# Altium PCB PCB_3U_ADC.PCBDOC (part 2 of 5)
Units mil, origin at the board's own origin, x right, y up, seen from the top; angles counter-clockwise.
Board outline 6299 x 3937 mil, 4 copper layers (Top, MP(GND), L3, Bot), stack 64.881 mil thick; 530 components, 318 nets, 1631 pads, 745 vias.
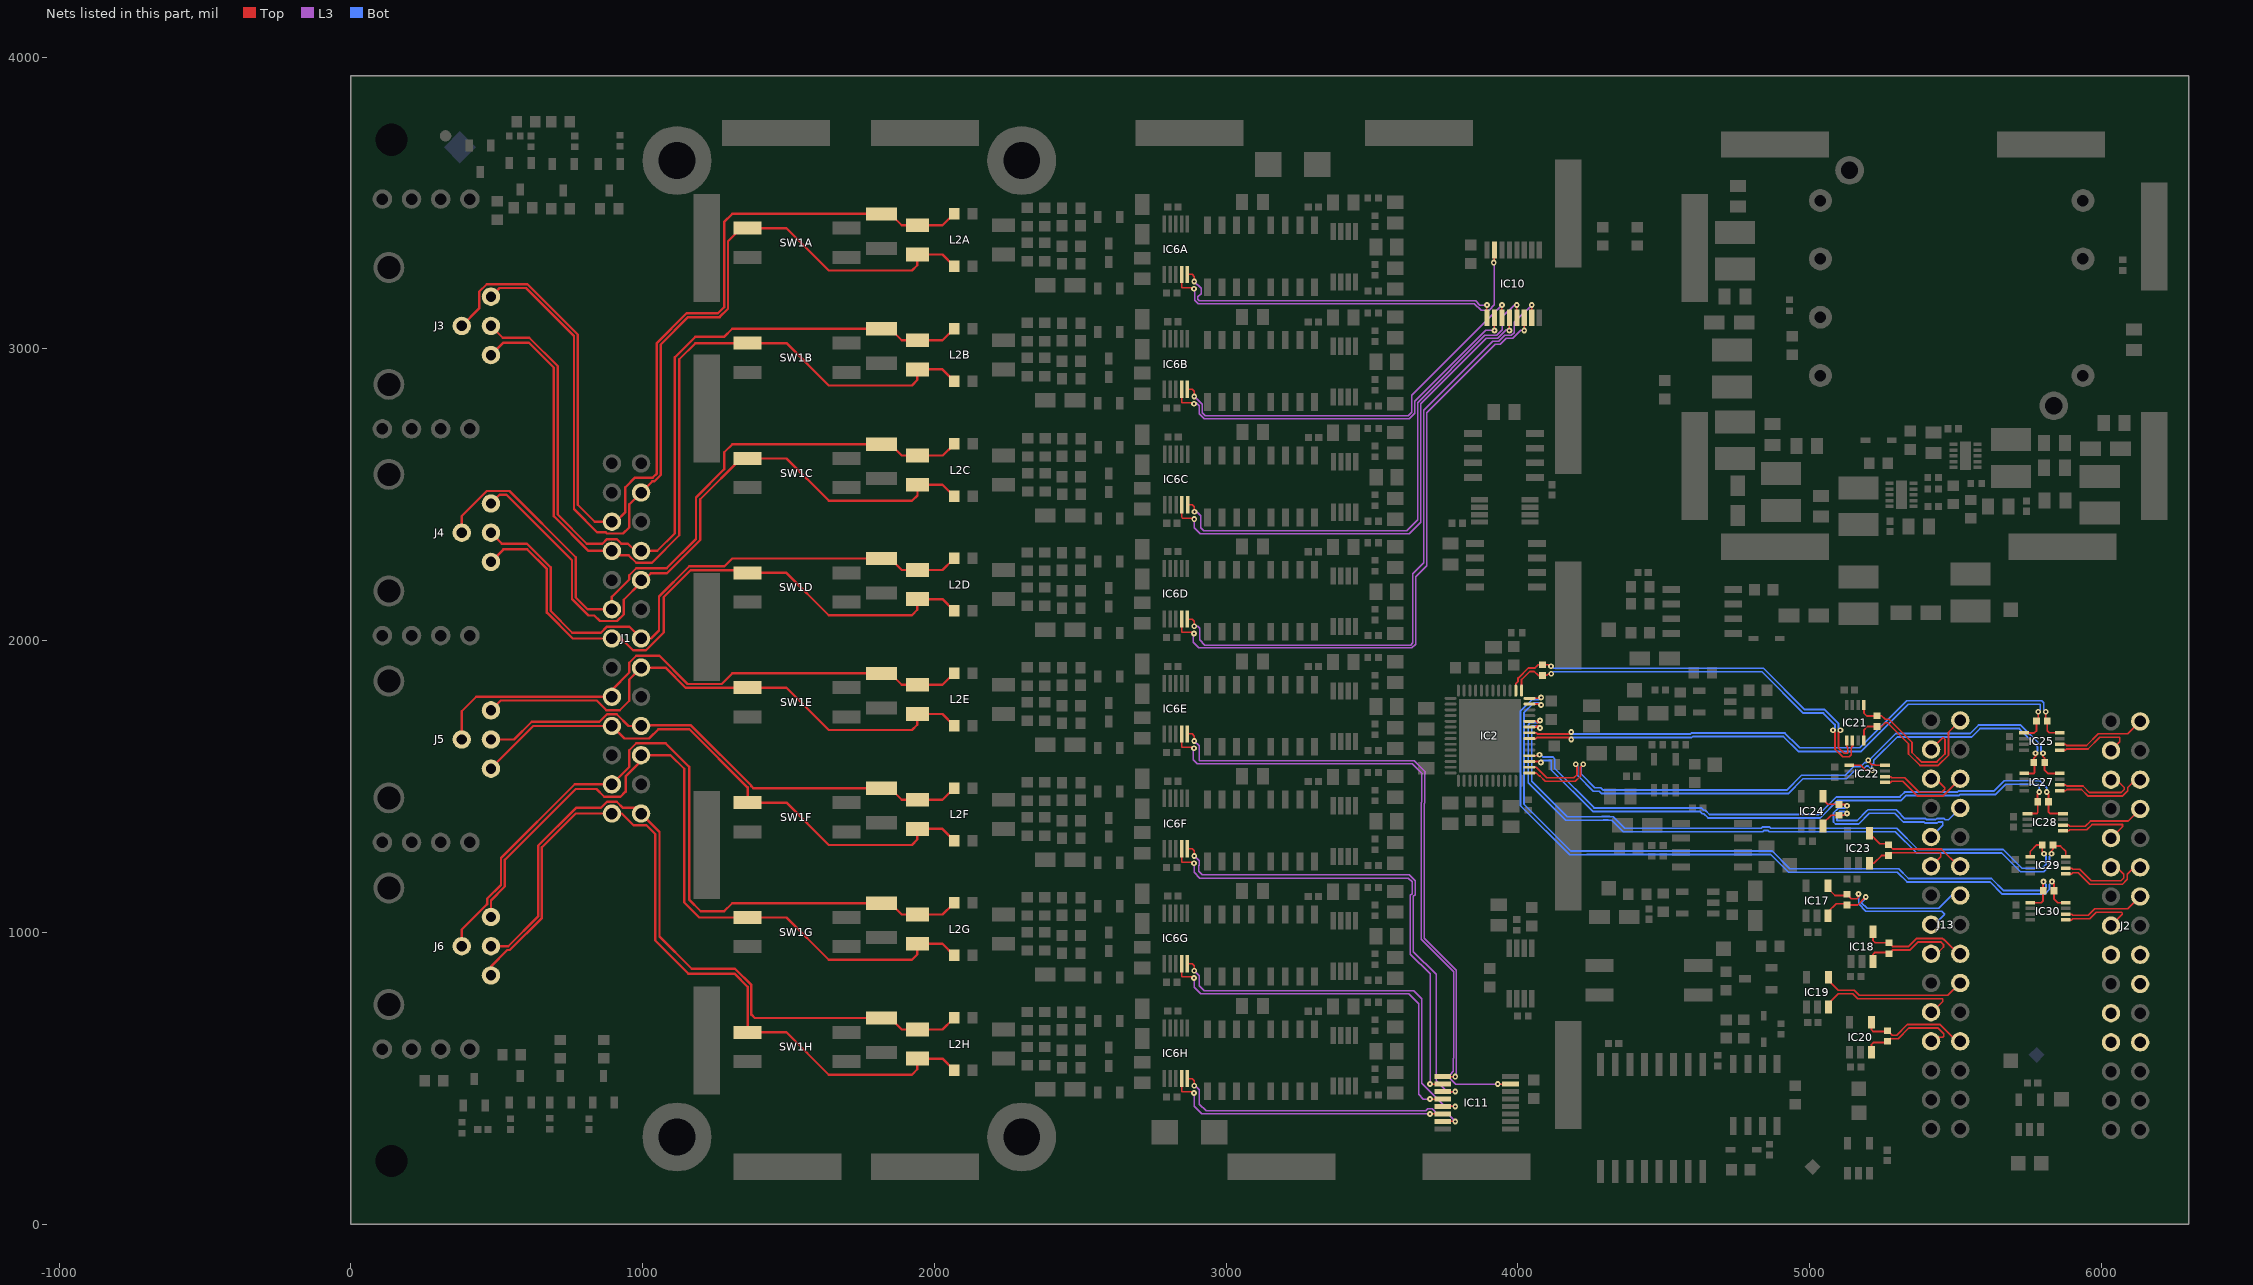
[diagram p4: the nets of this part, all layers, seen from the top]

## Footprints (in the part's own frame and the unit in brackets; to place one, negate y for a bottom-side part, rotate by r counter-clockwise, add the part's x,y. Pads: shape width x height; smd on the part's side, far side on the other; paste and mask are expansions set on the pad) (continued)
IND_MURATA-PS_8400 [mm] "Miniature Surface Mount Power Inductors, 4.5mm L X 3.3mm W X 2.9mm H, MURATA 8400 Series"
  rect 2x3.5 smd: 1(-1.6,0) 2(1.6,0)
  silkscreen extent -0.3,-1.8 0.3,1.8, body extent -2.4,-1.8 2.4,1.8, height 2.9
IND_WURTH_WE-SL2 [mm] "Common Mode SMD Line Filter WE-SL2"
  rect 2x1.2 smd: 1(-3.75,1.27) 2(-3.75,-1.27) 3(3.75,-1.27) 4(3.75,1.27)
  silkscreen extent -4.75,-3.15 4.75,3.15, body extent -4.75,-3.15 4.75,3.15, height 5.3
LED_DIALIGHT_571-0122F [mm] "2x 2mm LED (Top: Green, Bot: Green) PCB Edge Mounting (Without positioning pins) DIALIGHT 571 Serie"
  round 1.7 hole 1: 1(0,0) 2(2.54,0) 3(5.08,0) 4(7.62,0)
  silkscreen extent -6.55,-1.24 8.89,1.24, body extent -6.55,-1.24 8.89,1.24, height 8.61
QFN50P700X800X80_HS-53M [mm] "QFN, 52-Leads, Body 7.00x8.00mm, Pitch 0.50mm, Thermal Pad 5.41x6.40mm, IPC Low Density"
  oval 1.05x0.25 smd: 1(-3.425,3.25) 2(-3.425,2.75) 3(-3.425,2.25) 4(-3.425,1.75) 5(-3.425,1.25) 6(-3.425,0.75) 7(-3.425,0.25) 8(-3.425,-0.25) 9(-3.425,-0.75) 10(-3.425,-1.25) 11(-3.425,-1.75) 12(-3.425,-2.25) 13(-3.425,-2.75) 14(-3.425,-3.25) 27(3.425,-3.25) 28(3.425,-2.75) 29(3.425,-2.25) 30(3.425,-1.75) 31(3.425,-1.25) 32(3.425,-0.75) 33(3.425,-0.25) 34(3.425,0.25) 35(3.425,0.75) 36(3.425,1.25) 37(3.425,1.75) 38(3.425,2.25) 39(3.425,2.75) 40(3.425,3.25)
  oval 0.25x1.05 smd: 15(-2.75,-3.925) 16(-2.25,-3.925) 17(-1.75,-3.925) 18(-1.25,-3.925) 19(-0.75,-3.925) 20(-0.25,-3.925) 21(0.25,-3.925) 22(0.75,-3.925) 23(1.25,-3.925) 24(1.75,-3.925) 25(2.25,-3.925) 26(2.75,-3.925) 41(2.75,3.925) 42(2.25,3.925) 43(1.75,3.925) 44(1.25,3.925) 45(0.75,3.925) 46(0.25,3.925) 47(-0.25,3.925) 48(-0.75,3.925) 49(-1.25,3.925) 50(-1.75,3.925) 51(-2.25,3.925) 52(-2.75,3.925)
  rect 5.41x6.4 smd: 53(0,0)
  silkscreen extent -4.47,-4.2 3.7,4.2, body extent -3.55,-4.05 3.55,4.05, height 0.8
RENHOTEC_RHT-610-0049 [mm] "Dual Right Angle 50 Ohm BNC Jack, White Valox Case"
  round 1.6 hole 0.9: 1(-6.2,-2.54) 2(-6.2,0) 3(-6.2,2.54) 4(-3.66,0)
  round 2.7 hole 2: 6(2.69,-5.08) 7(2.69,5.08)
  silkscreen extent -9.85,-7.5 29.25,7.5, body extent -9.85,-7.5 29.25,7.5, height 29.3
RESC1005X40N [mm] "Chip Resistor, EIA 0402, Metric 1005, Body 1.0x0.5mm, IPC Medium Density"
  rect 0.58x0.62 smd: 1(-0.47,0) 2(0.47,0)
  body extent -0.52,-0.27 0.53,0.28, height 0.4
RESC1608X55N [mm] "Chip Resistor, EIA 0603, Metric 1608, Body 1.6x0.8mm, IPC Medium Density"
  rect 0.9x1 smd: 1(-0.8,0) 2(0.8,0)
  body extent -0.87,-0.47 0.88,0.48, height 0.55
RESC3225X70N [mm] "Chip Resistor, EIA 1210, Metric 3225, Body 3.2x2.5mm, IPC Medium Density"
  rect 1.15x2.7 smd: 1(-1.5,0) 2(1.5,0)
  silkscreen extent -0.55,-1.25 0.55,1.25, body extent -1.7,-1.35 1.7,1.35, height 0.7
SODFL2512X100N [mm] "SODFL Diode; 1.70mm W X 1.25mm L X 1.00mm H body, IPC Medium Density"
  rect 0.84x0.46 smd: 1(-1.14,0) 2(1.14,0)
  silkscreen extent -1.47,-0.65 0.85,0.86, body extent -1.35,-0.65 1.35,0.65, height 1
SOIC127P600X175-8N [mm] "SOIC 8, Pitch 1.27mm - Body 4x5mm, IPC Medium Density"
  rect 1.55x0.6 smd: 1(-2.7,1.905) 2(-2.7,0.635) 3(-2.7,-0.635) 4(-2.7,-1.905) 5(2.7,-1.905) 6(2.7,-0.635) 7(2.7,0.635) 8(2.7,1.905)
  silkscreen extent -2.52,-2.5 1.55,2.88, body extent -3.1,-2.5 3.1,2.5, height 1.75
SOIC127P1030X265-16N [mm] "SOIC 16, Pitch 1.27mm - Body 7.5x10.3mm, IPC Medium Density"
  rect 2x0.6 smd: 1(-4.65,4.445) 2(-4.65,3.175) 3(-4.65,1.905) 4(-4.65,0.635) 5(-4.65,-0.635) 6(-4.65,-1.905) 7(-4.65,-3.175) 8(-4.65,-4.445) 9(4.65,-4.445) 10(4.65,-3.175) 11(4.65,-1.905) 12(4.65,-0.635) 13(4.65,0.635) 14(4.65,1.905) 15(4.65,3.175) 16(4.65,4.445)
  silkscreen extent -5.52,-5.15 3.33,5.37, body extent -5.18,-5.25 5.18,5.25, height 1.68
SON50P200X300X80-11N-R94X250 [mm] "SON, 10-Leads, Body 2x3mm, Pitch 0.5mm, Thermal Pad 0.94x2.5mm, IPC Medium Density"
  rect 0.7x0.3 smd: 1(-1.05,1) 2(-1.05,0.5) 3(-1.05,0) 4(-1.05,-0.5) 5(-1.05,-1) 6(1.05,-1) 7(1.05,-0.5) 8(1.05,0) 9(1.05,0.5) 10(1.05,1)
  rect 0.94x2.5 smd: 11(0,0)
  silkscreen extent -1.5,-1.55 1.05,1.6, body extent -1.05,-1.55 1.05,1.55, height 0.8
SOP50P310X90-8N [mm] "SOP, 0.50mm pitch; 8 pin, 2.30mm W X 2.00mm L X 0.90mm H body, PC Medium Density"
  rect 0.85x0.3 smd: 1(-1.55,0.75) 2(-1.55,0.25) 3(-1.55,-0.25) 4(-1.55,-0.75) 5(1.55,-0.75) 6(1.55,-0.25) 7(1.55,0.25) 8(1.55,0.75)
  silkscreen extent -1.82,-1 0.8,1.53, body extent -1.62,-1 1.62,1, height 0.9
SOP50P490X110-10N [mm] "MSOP, 10-Leads, Body 3.1x3.1mm (max), Pitch 0.50mm, IPC Medium Density"
  rect 1.5x0.3 smd: 1(-2.2,1) 2(-2.2,0.5) 3(-2.2,0) 4(-2.2,-0.5) 5(-2.2,-1) 6(2.2,-1) 7(2.2,-0.5) 8(2.2,0) 9(2.2,0.5) 10(2.2,1)
  silkscreen extent -2.82,-1.5 1.13,1.77, body extent -2.45,-1.55 2.45,1.55, height 1.1
SOP65P490X110-8N [mm] "SOP, 0.65mm pitch; 8 pin, 3.00mm W X 3.00mm L X 1.10mm H body, IPC Medium Density"
  rect 1.5x0.45 smd: 1(-2.2,0.975) 2(-2.2,0.325) 3(-2.2,-0.325) 4(-2.2,-0.975) 5(2.2,-0.975) 6(2.2,-0.325) 7(2.2,0.325) 8(2.2,0.975)
  silkscreen extent -2.82,-1.5 1.12,1.82, body extent -2.45,-1.55 2.45,1.55, height 1.1
SOP65P640X120-16N [mm] "SOP, 0.65mm pitch; 16 pin, 4.40mm W X 5.00mm L X 1.20mm H body IPC Medium Density"
  rect 1.45x0.45 smd: 1(-2.95,2.275) 2(-2.95,1.625) 3(-2.95,0.975) 4(-2.95,0.325) 5(-2.95,-0.325) 6(-2.95,-0.975) 7(-2.95,-1.625) 8(-2.95,-2.275) 9(2.95,-2.275) 10(2.95,-1.625) 11(2.95,-0.975) 12(2.95,-0.325) 13(2.95,0.325) 14(2.95,0.975) 15(2.95,1.625) 16(2.95,2.275)
  silkscreen extent -3.07,-2.55 1.85,3.17, body extent -3.12,-2.55 3.12,2.55, height 1.2
SOT95P240X110-3N [mm] "SOT23 3-Leads, Pitch 0.95mm, Body 1.3x2.9mm, IPC Medium Density"
  rect 1.05x0.65 smd: 1(-1.15,0.95) 2(-1.15,-0.95) 3(1.15,0)
  silkscreen extent -1.52,-1.45 0.3,1.92, body extent -1.25,-1.5 1.25,1.5, height 1.1
SOT95P280X100-5N [mm] "SOT23, 0.95mm pitch; 5 pin, 1.625mm W X 2.9mm L, IPC Medium Density"
  rect 1.1x0.55 smd: 1(-1.35,0.95) 2(-1.35,0) 3(-1.35,-0.95) 4(1.35,-0.95) 5(1.35,0.95)
  silkscreen extent -1.78,-1.45 0.48,1.87, body extent -1.4,-1.5 1.4,1.5, height 1
SOT95P280X145-5N [mm] "SOT, 0.95mm pitch; 5 pin, 1.60mm W X 2.90mm L X 1.45mm H body, IPC Medium Density"
  rect 1.1x0.6 smd: 1(-1.3,0.95) 2(-1.3,0) 3(-1.3,-0.95) 4(1.3,-0.95) 5(1.3,0.95)
  silkscreen extent -1.72,-1.45 0.43,1.87, body extent -1.4,-1.5 1.4,1.5, height 1.45
SW_CTS_204-121ST [mm] "Body 7.26 x 9.78mm SPST DIP Switch, 204 Series"
  rect 1.13x2.44 smd: 1(-1.27,-4.3) 2(1.27,-4.3) 3(1.27,4.3) 4(-1.27,4.3)
  silkscreen extent -3.63,-4.89 3.63,4.89, body extent -3.63,-5.2 3.63,5.2, height 10.36
TPS127 [mil] "1.27 x  1.27mm SMD Test Point Area"
  rect 50x50 smd paste-50: 1(0,0)
  silkscreen extent -37,-37 37,37

## Part data
C1 C29 C44 C66 C68 C69 C112 C117: library part CC0603_1UF_25V_10%_X7R, "Non-polarised capacitor"
C2: library part CC0603_2.2UF_16V_10%_X5R, "Non-polarised capacitor"
C3 C4 C5 C7 C8 C54 C57 C94: library part CC0603_100NF_50V_10%_X7R, "Non-polarised capacitor"
C6 C9 C12 C13 C14 C15 C16: library part CC0805_10UF_25V_10%_X5R, "Non-polarised capacitor"
C10A C10B C10C C10D C10E C10F C10G C10H C11A C11B C11C C11D C11E C11F C11G C11H C18 C19 C28 C49 C50 C51 C52 C56 C60 C115 C118: library part CTE3216-18_10UF_16V_20%_AVX_TCJ, "Polarised capacitor"
C17A C17B C17C C17D C17E C17F C17G C17H C23A C23B C23C C23D C23E C23F C23G C23H C25A C25B C25C C25D C25E C25F C25G C25H: library part CC0805_2.2NF_25V_1%_C0G, "Non-polarised capacitor"
C20 C21 C22 C24 C30 C31 C33 C37 C38 C43 C45 C46 C55 C58 C62 C63 C67 C120 C122 C153 C154 C156 C157 C158 C159 C160 C161 C162: library part CC0402_100NF_16V_10%_X5R, "Non-polarised capacitor"
C26 C27 C32 C34 C36 C39 C40 C42 C48 C53 C59 C61 C64 C121 C123: library part CC0805_22UF_16V_10%_X5R, "Non-polarised capacitor"
C35A C35B C35C C35D C35E C35F C35G C35H C41A C41B C41C C41D C41E C41F C41G C41H C70A C70B C70C C70D C70E C70F C70G C70H C71A C71B C71C C71D C71E C71F C71G C71H: library part CC0402_100NF_16V_10%_X7R, "Non-polarised capacitor"
C47 C65 C114 C116: library part CC0603_10NF_50V_10%_X7R, "Non-polarised capacitor"
C72A C72B C72C C72D C72E C72F C72G C72H: library part CC0805_82PF_100V_1%_NP0_AVX_08051A820FAT2A, "Non-polarised capacitor"
C73A C73B C73C C73D C73E C73F C73G C73H C74A C74B C74C C74D C74E C74F C74G C74H C75 C76: library part CC0805_47NF_25V_5%_C0G, "Non-polarised capacitor"
C85A C85B C85C C85D C85E C85F C85G C85H C88A C88B C88C C88D C88E C88F C88G C88H: library part CC0603_18PF_50V_5%_NP0, "Non-polarised capacitor"
CLIP1 CLIP2 CLIP3 CLIP4 CLIP5 CLIP6 CLIP7 CLIP8 CLIP9 CLIP10 CLIP11 CLIP12 CLIP13 CLIP14 CLIP15 CLIP16 CLIP17 CLIP18 CLIP19 CLIP20 CLIP21 CLIP22 CLIP23 CLIP24 CLIP25 CLIP26: "Surface Mount Clip for PCB Screening Covers"
D1A D1B D1C D1D D1E D1F D1G D1H D3A D3B D3C D3D D3E D3F D3G D3H: "Serial Diode"
D2 D4 D5 D6: "Diode"
D8 D9: "Zener Diode"
FTG17: library part FIDUCIAL_TARGET_C100-200, "Fiducial Target"
FTG18 FTG20: library part FIDUCIAL_TARGET_S100-200, "Fiducial Target"
FTG19: library part FIDUCIAL_TARGET_S200-400, "Fiducial Target"
IC1: "0.25ppm Noise, Low Drift Precision Buffered Voltage Reference"
IC2: "Octal, 16-Bit, 1.5Msps/Ch  Simultaneous Sampling ADC"
IC3: "CONV DC/DC 6W DUAL 12V +-12V PCB"
IC4 IC7: "100mA, Low Noise, LDO Micropower Adjustable Regulator in SOT-23"
IC5 IC12A IC12B IC12C IC12D IC12E IC12F IC12G IC12H: "36-V, Precision, Rail-to-Rail Input Output, Low Offset Voltage Op Amp 8-VSSOP"
IC6A IC6B IC6C IC6D IC6E IC6F IC6G IC6H: "10MHz, 20V/us, G= 1, 10, 100, 1000 iCMOS Programmable Gain Instrumentation Amplifier"
IC8 IC26: "4.75-28VDC to 1-6VDC, 500mA Step-Down Converter With Sleep Mode"
IC9 IC40: "1.7V-5.5V, 2K I2C Serial EEPROM With EUI-48 Node Identity"
IC10 IC11: "8-Bit Shift Register With 3-State Output Register"
IC13 IC16: "1.22V to 20V 500mA, Low Noise, LDO Adjustable Micropower Regulator"
IC14: "200mA, Low Noise, Low Dropout Negative Micropower Regulator"
IC15: "Dual Operational Amplifier"
IC17 IC18 IC20 IC23 IC24: "High-Speed Differential Line Receiver"
IC19: "High-Speed Differential Line Driver"
IC21 IC22 IC25 IC27 IC28 IC29 IC30: "LVDS Single Port High Speed Repeater"
IC38: "Remote 8-bit I/O Expander For I2C Bus"
J1: library part 3M_N2526-6002RB, "Connector 26 Male"
J2 J13: library part 3M_N2530-6002RB, "Connector 30 Male"
J3 J4 J5 J6: "Dual Right Angle 50 Ohm BNC Jack, White Valox Case"
L1 L3 L4 L5 L6 L10 L11 L12 L13: library part IND_10UH_10%_MURATA-PS_8400, "Inductor With Core"
L2A L2B L2C L2D L2E L2F L2G L2H: library part IND_6.5MH_50%_WURTH_WE-SL2-744229, "Inductor Common Mode"
LD1 LD2 LD3 LD4 LD5: library part LED_DIALIGHT_571-0122F, "LED x2 Green 1C2A-BOT_3C4A-TOP"
R1 R8 R10 R11 R15: library part R0402_0R_JUMPER, "Resistor"
R2: library part R0603_1K_1%_0.1W_100PPM, "Resistor - 1%"
R3 R6 R7 R37A R37B R37C R37D R37E R37F R37G R37H R86A R86B R86C R86D R86E R86F R86G R86H: library part R0603_NO-VALUE, "Resistor"
R4A R4B R4C R4D R4E R4F R4G R4H: library part R1210_49R9_1%_0.5W_100PPM_VISHAY_CRCW, "Resistor - 1%"
R5 R12 R13 R49 R68 R69 R70 R71: library part R0402_10K_1%_0.0625W_100PPM, "Resistor - 1%"
R9 R17 R30 R31 R36 R39 R40 R44 R45 R46 R47 R55: library part R0402_100R_1%_0.1W_100PPM, "Resistor - 1%"
R14A R14B R14C R14D R14E R14F R14G R14H R16A R16B R16C R16D R16E R16F R16G R16H: library part R0402_51R_1%_0.0625W_100PPM, "Resistor - 1%"
R18 R27 R38 R143: library part R0603_2K7_1%_0.1W_100PPM, "Resistor - 1%"
R19: library part R0402_36R_1%_0.0625W_100PPM, "Resistor - 1%"
R20: library part R0603_270K_1%_0.1W_100PPM, "Resistor - 1%"
R21: library part R0603_82K_1%_0.1W_100PPM, "Resistor - 1%"
R22 R26 R32 R52 R56 R142: library part R0603_24K_1%_0.1W_100PPM, "Resistor - 1%"
R23 R50A R50B R50C R50D R50E R50F R50G R50H: library part R0402_2K4_1%_0.0625W_100PPM, "Resistor - 1%"
R24: library part R0402_33K_1%_0.0625W_100PPM, "Resistor - 1%"
R25: library part R0402_62K_1%_0.0625W_100PPM, "Resistor - 1%"
R28 R51 R57: library part R0402_5K1_1%_0.0625W_100PPM, "Resistor - 1%"
R29: library part R0402_120K_1%_0.0625W_100PPM, "Resistor - 1%"
R33A R33B R33C R33D R33E R33F R33G R33H R41A R41B R41C R41D R41E R41F R41G R41H: library part R0603_0R_JUMPER, "Resistor"
R34A R34B R34C R34D R34E R34F R34G R34H R42A R42B R42C R42D R42E R42F R42G R42H: library part R0603_1K8_1%_0.1W_100PPM, "Resistor - 1%"
R35A R35B R35C R35D R35E R35F R35G R35H R43A R43B R43C R43D R43E R43F R43G R43H: library part R0603_100K_1%_0.1W_100PPM, "Resistor - 1%"
R48 R53: library part R0402_51K_1%_0.0625W_100PPM, "Resistor - 1%"
R54: library part R0402_47K_1%_0.0625W_100PPM, "Resistor - 1%"
R58 R59 R60 R61 R62 R63 R64 R65 R66 R67: library part R0603_220R_1%_0.1W_100PPM, "Resistor - 1%"
RN1A RN1B RN1C RN1D RN1E RN1F RN1G RN1H RN2A RN2B RN2C RN2D RN2E RN2F RN2G RN2H RN3 RN4: library part RN_10K_5K_VISHAY_AORN2-1AT3, "DIL8 Resistor Network 4 Resistors 10k-5k-5k-10k 0.1%"
SW1A SW1B SW1C SW1D SW1E SW1F SW1G SW1H SW2: library part SW_CTS_204-121ST, "2x SPST DIP Switch 1NO + 1NF"
T1 T2 T3 T4 T5 T6 T7 T8 T9: "N-CHANNEL MOSFET WITH DIODE"
TP1 TP2 TP3 TP4 TP5 TP6 TP7 TP8 TP9 TP10 TP11 TP12 TP13: library part SMD_PAD_1.27X1.27MM

## Free pads (board coordinates)
  round 236.22 hole 125.98: 0(2299.21,299.21) 1(2299.21,3645.67) 2(1118.11,3645.67) 3(1118.11,299.21)
  round 50 hole 110: 1(140,3717) 2(140,217)

## Via types
v1: diameter 19.68, hole 7.87, Top to Bot, tented both sides, 729 vias
v2: diameter 23.62, hole 11.81, Top to Bot, tented both sides, 9 vias
v3: diameter 39.37, hole 23.62, Top to Bot, tented both sides, 6 vias
v4: diameter 19.68, hole 7.87, Top to Bot, 1 vias

## Nets (pads, with @x,y where several pads share a name; then routed paths per layer and width w, separated by ;. In a path a pad name is that pad's centre, name@x,y a point inside that pad or via, vN(x,y) a via of type N, cw(c..) or ccw(c..) an arc to the next point about the centre after c; other vN are vias at no path point)
ADC_CLKOUT_N: IC2.34 IC25.8 R44.2 | length 2008.7
  Top w6: IC2.34@4039.17,1684.46 4062.84,1684.46 4066.69,1680.62 v1@4183.07,1680.62 ; v1(5808.91,1756.89) 5808.91,1730.8 R44.2@5814.57,1725.14 5814.57,1691.34 5820.87,1685.04 5856.08,1685.04 IC25.8@5856.91,1684.21
  Bot w6: v1(4183.07,1687.46) 4183.07,1682.59 4185.04,1680.62 4591.17,1680.62 4593.94,1683.39 4915.04,1683.39 4957.18,1641.24 4965.6,1632.82 5171.21,1632.82 5332.87,1794.48 5795.03,1794.48 5802.06,1787.45 5802.06,1763.73 v1(5808.91,1756.89)
ADC_CLKOUT_P: IC2.33 IC25.1 R44.1 | length 1988.8
  Top w6: IC2.33@4039.17,1664.78 4062.84,1664.78 4066.69,1668.62 v1@4183.07,1668.62 ; IC25.1@5734.87,1684.21 5769.84,1684.21 5777.56,1691.93 R44.1@5777.56,1725.14 5783.22,1730.8 v1(5783.22,1756.89)
  Bot w6: v1(4183.07,1661.78) 4183.07,1666.65 4185.04,1668.62 4596.15,1668.62 4598.91,1671.39 4910.07,1671.39 4960.63,1620.82 5176.18,1620.82 5337.84,1782.48 5790.06,1782.48 5790.06,1763.73 v1(5783.22,1756.89)
ADC_IN_N0: J1.23 J3.1 L2A.2 R37A.1 SW1A.1 | length 3293.7
  Top w8: J3.1@480.31,3178.98 509.99,3208.66 600.39,3208.66 765,3044.06 765,2451 844,2372 873.48,2372 878.1,2367.38 933.38,2367.38 954.38,2388.38 954.38,2467.38 J1.23@994.88,2507.87 1033.06,2546.06 1040.15,2546.06 1062.01,2567.91 1062.01,3015.08 1155.98,3109.05 1264.05,3109.05 1292.59,3137.59 1292.59,3369 1337.36,3413.77 SW1A.1@1359.92,3413.77 1493,3413.77 1638.11,3268.66 1923.11,3268.66 1941.57,3287.13 L2A.2@1941.57,3323.77 2027.72,3323.77 R37A.1@2067.72,3283.77
ADC_IN_N1: J1.20 J3.3 L2B.2 R37B.1 SW1B.1 | length 3001.8
  Top w8: J3.3@480.31,2978.98 522.98,3021.65 610.24,3021.65 696,2935.89 696,2427 815.13,2307.87 J1.20@894.88,2307.87 909.44,2293.31 952.17,2293.31 978.1,2267.38 1032.13,2267.38 1125.98,2361.23 1125.98,2964.57 1181.1,3019.68 1336.98,3019.68 1337.36,3020.07 SW1B.1@1359.92,3020.07 1493,3020.07 1638.11,2874.96 1923.11,2874.96 1941.57,2893.43 L2B.2@1941.57,2930.07 2027.72,2930.07 R37B.1@2067.72,2890.07
ADC_IN_N2: J1.17 J4.1 L2C.2 R37C.1 SW1C.1 | length 2316.3
  Top w8: J4.1@480.31,2470.32 509.99,2500 533.41,2500 757.87,2275.54 757.87,2143.15 814.41,2086.61 834.39,2086.61 853.62,2067.38 912.38,2067.38 935.37,2090.37 935.37,2140.5 J1.17@994.88,2200 ; J1.17@994.88,2207.87 1005.12,2207.87 1028.54,2231.3 1083.66,2231.3 1197.83,2345.47 1197.83,2484.62 1337.85,2624.64 SW1C.1@1360.42,2624.64 1493.49,2624.64 1638.6,2479.54 1923.6,2479.54 1942.07,2498 L2C.2@1942.07,2534.65 2028.21,2534.65 R37C.1@2068.21,2494.65
ADC_IN_N3: J1.14 J4.3 L2D.2 R37D.1 SW1D.1 | length 2145.5
  Top w8: J4.3@480.31,2270.32 522.98,2312.99 605.01,2312.99 672,2246 672,2096.38 760.51,2007.87 J1.14@894.88,2007.87 927.17,2007.87 967.66,1967.38 1011.65,1967.38 1072.83,2028.56 1072.83,2149.61 1165.35,2242.13 1327.9,2242.13 1337.36,2232.67 SW1D.1@1359.92,2232.67 1493,2232.67 1638.11,2087.56 1923.11,2087.56 1941.57,2106.02 L2D.2@1941.57,2142.67 2027.72,2142.67 R37D.1@2067.72,2102.67
ADC_IN_N4: J1.11 J5.1 L2E.2 R37E.1 SW1E.1 | length 1867.9
  Top w8: J5.1@480.31,1761.66 513.65,1795 842.66,1795 876,1761.66 921.66,1761.66 954.38,1794.38 954.38,1867.38 J1.11@994.88,1907.87 1078.35,1907.87 1147.26,1838.96 SW1E.1@1359.92,1838.96 1493,1838.97 1638.11,1693.86 1923.11,1693.86 1941.57,1712.32 L2E.2@1941.57,1748.97 2027.72,1748.97 R37E.1@2067.72,1708.97
ADC_IN_N5: J1.8 J5.3 L2F.2 R37F.1 SW1F.1 | length 1936.2
  Top w8: J5.3@480.31,1561.66 480.31,1562.99 625.2,1707.87 J1.8@894.88,1707.87 937.75,1665 1023.62,1665 1023.62,1666.34 1054.13,1696.85 1160.43,1696.85 1359.92,1497.36 SW1F.1@1359.92,1445.27 1493,1445.27 1638.11,1300.16 1923.11,1300.16 1941.57,1318.62 L2F.2@1941.57,1355.27 2027.72,1355.27 R37F.1@2067.72,1315.27
ADC_IN_N6: J1.5 J6.1 L2G.2 R37G.1 SW1G.1 | length 2568.2
  Top w8: J6.1@480.31,1053 480.31,1110.23 528,1157.92 528,1249 771,1492 842,1492 869,1465 924,1465 942,1483 942,1535 J1.5@994.88,1587.88 ; J1.5@994.88,1607.87 1095.87,1607.87 1142.72,1561.02 1142.72,1103.35 1194.5,1051.57 SW1G.1@1359.92,1051.57 1493,1051.57 1638.11,906.46 1923.11,906.46 1941.57,924.92 L2G.2@1941.57,961.57 2027.72,961.57 R37G.1@2067.72,921.57
ADC_IN_N7: J1.2 J6.3 L2H.2 R37H.1 SW1H.1 | length 2714.2
  Top w8: J6.3@480.31,853 480.31,883.86 536.46,940 545,940 655,1050 655,1292 770.87,1407.87 J1.2@894.88,1407.87 928.87,1407.87 969.06,1367.68 977.8,1367.68 978.1,1367.38 1013.53,1367.38 1043.31,1337.6 1043.31,972.44 1156.5,859.25 1314.96,859.25 1359.92,814.29 SW1H.1@1359.92,657.86 1493,657.86 1638.11,512.76 1923.11,512.76 1941.57,531.22 L2H.2@1941.57,567.87 2027.72,567.87 R37H.1@2067.72,527.87
ADC_IN_P0: J1.22 J3.4 L2A.1 R4A.2 R86A.1 | length 3411.7
  Top w8: J3.4@380.31,3078.98 439.82,3138.49 439.82,3195.76 465.72,3221.66 605.78,3221.66 778,3049.44 778,2466 836.13,2407.87 J1.22@894.88,2407.87 908,2407.87 941.07,2440.94 941.07,2525.72 974.41,2559.06 1034.76,2559.06 1049.01,2573.3 1049.01,3020.46 1150.59,3122.05 1258.66,3122.05 1279.59,3142.98 1279.59,3435.14 1307.28,3462.83 R4A.2@1819.21,3462.83 1848.94,3462.83 1888,3423.77 L2A.1@1941.57,3423.77 2028.22,3423.77 2063.11,3458.66 2063.11,3459.17 R86A.1@2067.72,3463.77
ADC_IN_P1: J1.19 J3.2 L2B.1 R4B.2 R86B.1 | length 2919.5
  Top w8: J3.2@480.31,3078.98 520.81,3038.49 611.79,3038.49 709,2941.27 709,2432.38 808.71,2332.68 862.41,2332.68 878.1,2348.37 911.65,2348.37 927.34,2332.68 950.32,2332.68 974.93,2308.07 1050.2,2308.07 1109.98,2367.86 1109.98,2971.19 1180.23,3041.44 1279.59,3041.44 1307.28,3069.13 1848.94,3069.13 1888,3030.07 2028.22,3030.07 2063.11,3064.96 2063.11,3065.47 R86B.1@2067.72,3070.07
ADC_IN_P2: J1.16 J4.4 L2C.1 R4C.2 R86C.1 | length 2447
  Top w8: J4.4@380.31,2370.32 380.31,2427.59 465.72,2513 544,2513 770.87,2286.13 770.87,2148.53 811.54,2107.87 J1.16@894.88,2107.87 894.88,2150.6 954.38,2210.11 954.38,2224.65 978.1,2248.37 1082.35,2248.37 1183.07,2349.09 1183.07,2491.14 1280.08,2588.16 1280.08,2646.02 1307.77,2673.7 R4C.2@1819.71,2673.7 1849.44,2673.7 1888.49,2634.65 L2C.1@1942.07,2634.65 2028.71,2634.65 2063.6,2669.54 2063.6,2670.04 R86C.1@2068.21,2674.65
ADC_IN_P3: J1.13 J4.2 L2D.1 R4D.2 R86D.1 | length 2056.7
  Top w8: J4.2@480.31,2370.32 517.96,2332.68 603.71,2332.68 685,2251.38 685,2101.77 759.21,2027.56 857.29,2027.56 878.1,2048.37 954.38,2048.37 J1.13@994.88,2007.87 1028.54,2007.87 1056.1,2035.43 1056.1,2151.26 1159.97,2255.13 1280.68,2255.13 1307.28,2281.73 1848.94,2281.73 1888,2242.67 L2D.1@1941.57,2242.67 2028.22,2242.67 2063.11,2277.56 2063.11,2278.06 R86D.1@2067.72,2282.67
ADC_IN_P4: J1.10 J5.4 L2E.1 R4E.2 R86E.1 | length 1984.3
  Top w8: J5.4@380.31,1661.66 380.31,1758.27 430.05,1808 894.75,1808 J1.10@894.88,1807.87 894.88,1831.6 954.38,1891.1 954.38,1924.65 978.1,1948.37 1057.54,1948.37 1153.94,1851.96 1271.22,1851.96 1307.28,1888.02 R4E.2@1819.21,1888.02 1848.94,1888.02 1888,1848.97 L2E.1@1941.57,1848.97 2028.22,1848.97 2063.11,1883.86 2063.11,1884.36 R86E.1@2067.72,1888.97
ADC_IN_P5: J1.7 J5.2 L2F.1 R4F.2 R86F.1 | length 1764.2
  Top w8: J5.2@480.31,1661.66 559.3,1661.66 620.08,1722.44 852.18,1722.44 878.1,1748.37 911.65,1748.37 952.15,1707.87 J1.7@994.88,1707.87 996.86,1709.85 1165.82,1709.85 1372.92,1502.75 1372.92,1501.09 1379.69,1494.32 R4F.2@1819.21,1494.32 1848.94,1494.32 1888,1455.27 L2F.1@1941.57,1455.27 2028.22,1455.27 2063.11,1490.16 2063.11,1490.66 R86F.1@2067.72,1495.27
ADC_IN_P6: J1.4 J6.4 L2G.1 R4G.2 R86G.1 | length 2656.2
  Top w8: J6.4@380.31,953 380.31,1010.27 463.54,1093.5 467.31,1097.23 467.31,1115.62 515,1163.31 515,1255 767.87,1507.87 J1.4@894.88,1507.87 954.38,1567.38 954.38,1624.65 978.1,1648.37 1078.99,1648.37 1159.45,1567.91 1159.45,1113.19 1199.7,1072.94 1279.59,1072.94 1307.28,1100.62 1848.94,1100.62 1888,1061.57 L2G.1@1941.57,1061.57 2028.22,1061.57 2063.11,1096.46 2063.11,1096.96 R86G.1@2067.72,1101.57
ADC_IN_P7: J1.1 J6.2 L2H.1 R4H.2 R86H.1 | length 2516.4
  Top w8: J6.2@480.31,953 539.61,953 642,1055.39 642,1297.38 771.78,1427.17 856.9,1427.17 878.1,1448.37 911.65,1448.37 932.86,1427.17 J1.1@975.59,1427.17 ; J1.1@994.88,1407.87 1058.07,1344.68 1058.07,986.22 1168.31,875.98 1316.61,875.98 1372.92,819.67 1372.92,718.61 1384.61,706.92 R4H.2@1819.21,706.92 1848.94,706.92 1888,667.87 L2H.1@1941.57,667.87 2028.22,667.87 2063.11,702.76 2063.11,703.26 R86H.1@2067.72,707.87
ADC_SCK_N: IC2.42 IC21.5 R9.1 | length 1412
  Top w5: 4062.3,1910.47 4069.94,1918.11 R9.1@4084.65,1918.11 v1@4106.95,1918.11
  Top w6: IC2.42@3992.91,1829.15 3992.91,1852.82 4000.6,1860.5 4000.6,1871.94 4035.26,1906.61 4058.44,1906.61 4062.3,1910.47 ; v1(5105.27,1692.91) 5098.43,1686.07 5098.43,1633.86 5118.11,1614.17 5130.57,1614.17 5130.57,1634.07 5126.72,1637.92 IC21.5@5126.72,1657.65
  Bot w6: v1@4113.11,1911.95 4116.14,1911.95 4122.48,1905.61 4841.68,1905.61 4983.32,1763.97 5052.03,1763.97 5098.43,1717.57 5098.43,1699.76 v1(5105.27,1692.91)
  other v1: 4113.11,1912.95
ADC_SCK_P: IC2.41 IC21.6 R9.2 | length 1418.4
  Top w5: R9.2@4084.65,1881.1 4099.35,1881.1 4105.51,1887.26 v1(4114.17,1887.26)
  Top w6: IC2.41@4012.6,1829.15 4012.6,1866.97 4040.23,1894.61 4055.94,1894.61 4069.44,1881.1 R9.2@4084.65,1881.1 ; v1(5079.58,1692.91) 5086.43,1686.07 5086.43,1628.89 5113.14,1602.17 5135.54,1602.17 5142.57,1609.2 5142.57,1634.07 5146.41,1637.92 IC21.6@5146.41,1657.65
  Bot w6: v1(4114.17,1887.26) 4120.52,1893.61 4836.71,1893.61 4978.35,1751.97 5047.06,1751.97 5086.43,1712.6 5086.43,1699.76 v1(5079.58,1692.91)
ADC_SDOA_N: IC2.28 IC22.1 IC27.1 R17.1 | length 2227
  Top w6: IC2.28@4039.17,1566.35 4062.84,1566.35 4098.69,1530.51 4191.93,1530.51 4202.67,1541.26 4202.67,1571.93 v1(4197.83,1576.77) ; IC22.1@5135.7,1573.32 5174.71,1573.32 5191.93,1556.1 v1(5214.57,1556.1) ; IC27.1@5735.04,1545.28 5768.5,1545.28 5770.47,1547.24 5770.47,1579.94 R17.1@5768.18,1582.23 5768.18,1597.44 5773.84,1603.1 v1(5773.84,1614.17)
  Bot w6: v1(4197.83,1576.77) 4204.68,1569.93 4204.68,1538.34 4258.64,1484.38 4279.04,1484.38 4287.23,1476.19 4925.99,1476.19 4977.04,1527.24 5126.28,1527.24 5155.14,1556.1 5179.13,1556.1 5193.9,1570.87 5199.8,1570.87 v1@5212.6,1558.07 ; v1(5214.57,1556.1) v1@5212.6,1558.07 ; v1(5773.84,1614.17) 5780.69,1621.02 5780.69,1636.81 5718.68,1698.82 5583.66,1698.82 5554.93,1670.09 5300.01,1670.09 5219.88,1589.96 5219.88,1582.82 5219.44,1582.38 5219.44,1579.84 5212.6,1573 v1@5212.6,1558.07
ADC_SDOA_P: IC2.27 IC22.8 IC27.8 R17.2 | length 2195.8
  Top w6: IC2.27@4039.17,1546.67 4062.84,1546.67 4073.09,1536.42 4075.81,1536.42 4093.71,1518.51 4196.9,1518.51 4214.67,1536.29 4214.67,1566.96 4223.52,1575.81 v1(4223.52,1576.77) ; v1@5200.6,1587.65 5213.3,1574.94 5222.37,1574.94 5224,1573.32 IC22.8@5257.75,1573.32 ; v1(5799.53,1614.17) 5799.53,1603.1 5805.19,1597.44 R17.2@5805.19,1582.23 5805.19,1556.03 5815.94,1545.28 IC27.8@5857.08,1545.28
  Bot w6: v1(4223.52,1576.77) 4216.68,1569.93 4216.68,1543.31 4263.61,1496.38 4284.01,1496.38 4292.2,1488.19 4921.02,1488.19 4972.07,1539.24 5121.3,1539.24 5150.17,1568.1 5174.16,1568.1 5185.41,1579.35 5188.93,1582.87 v1@5195.82,1582.87 ; v1@5202.31,1589.36 5295.04,1682.09 5549.96,1682.09 5578.69,1710.82 5723.65,1710.82 5792.69,1641.78 5792.69,1621.02 v1(5799.53,1614.17)
  other v1: 5201.04,1590.63
ADC_SDOB_N: IC2.30 IC28.8 R45.2 | length 2078.2
  Top w6: IC2.30@4039.17,1605.72 4075.74,1605.72 4074.02,1607.45 v1(4074.02,1609.33) ; v1(5812.56,1481.3) 5818.22,1475.64 R45.2@5818.22,1448.24 5818.22,1414.07 5824.8,1407.48 IC28.8@5868.11,1407.48
  Bot w6: v1(4074.02,1609.33) 4078.13,1609.33 4085.58,1601.88 4119.14,1601.88 4126.17,1594.85 4126.17,1580.54 4125.86,1580.23 4125.86,1565.44 4126.17,1565.13 4126.17,1562.06 4261.07,1427.17 4628.61,1427.17 4636.54,1419.24 4638.2,1419.24 4638.27,1419.16 4642.1,1419.16 4656.73,1404.53 5031.5,1404.53 5091.72,1464.76 5309.24,1464.76 5322.83,1478.35 5326.35,1481.86 5507.21,1481.86 5507.26,1481.91 5510.78,1485.43 5632.82,1485.43 5663.76,1516.36 5667.27,1519.87 5788.44,1519.87 5791.95,1516.36 5812.56,1495.75 v1(5812.56,1481.3)
ADC_SDOB_P: IC2.29 IC28.1 R45.1 | length 2041.6
  Top w6: IC2.29@4039.17,1586.04 4075.74,1586.04 v1(4078.74,1583.04) ; IC28.1@5746.06,1407.48 5777.56,1407.48 5781.5,1411.42 5781.5,1447.95 R45.1@5781.21,1448.24 5781.21,1475.64 v1(5786.87,1481.3)
  L3 w6: v1(4078.74,1583.04) v1@4078.74,1589.88
  Bot w6: v1(4078.74,1583.04) 4085.58,1589.88 4114.17,1589.88 4114.17,1585.51 4113.86,1585.2 4113.86,1560.47 4114.17,1560.16 4114.17,1557.09 4256.09,1415.17 4623.64,1415.17 4631.57,1407.24 4633.23,1407.24 4633.3,1407.16 4637.13,1407.16 4651.76,1392.53 5036.47,1392.53 5096.69,1452.76 5314.21,1452.76 5331.32,1469.86 5512.18,1469.86 5515.75,1473.43 5637.8,1473.43 5672.24,1507.87 5783.46,1507.87 5786.87,1504.47 v1(5786.87,1481.3)
ADC_SDOC_N: IC2.36 IC29.8 R46.2 | length 2347.6
  Top w5: R46.2@5834.06,1296.26 R46.2@5834.06,1300.17
  Top w6: IC2.36@4039.17,1723.83 4062.84,1723.83 4066.69,1719.99 4068.94,1719.99 v1(4075.79,1726.83) ; v1(5829.02,1269.75) 5827.9,1270.87 5827.9,1279.3 5834.06,1285.47 5834.06,1296.26 5859.59,1296.26 5877.95,1277.9 IC29.8@5877.95,1259.84
  Bot w6: v1(4075.79,1726.83) 4068.94,1719.99 4043.26,1719.99 4035.24,1711.98 4035.24,1513.73 4164.32,1384.65 4292.49,1384.65 4293.79,1385.95 4308.57,1385.95 4309.87,1384.65 4321.8,1384.65 4361.17,1345.28 4838.75,1345.28 4843,1349.54 4857.78,1349.54 4862.04,1345.28 5293.5,1345.28 5366.33,1272.45 5658.65,1272.45 5722.63,1208.47 5801.73,1208.47 5821.56,1228.3 5821.56,1261.38
ADC_SDOC_P: IC2.35 IC29.1 R46.1 | length 2297.2
  Top w6: IC2.35@4039.17,1704.15 4062.84,1704.15 4066.69,1707.99 4068.94,1707.99 v1(4075.79,1701.15) ; IC29.1@5755.91,1259.84 5755.91,1277.56 5778.52,1300.17 R46.1@5797.05,1300.17 5797.05,1275.85 v1(5803.21,1269.69)
  Bot w6: v1(4075.79,1701.15) 4068.94,1707.99 4048.23,1707.99 4047.24,1707.01 4047.24,1518.7 4169.29,1396.65 4287.52,1396.65 4288.82,1397.95 4313.54,1397.95 4314.84,1396.65 4326.77,1396.65 4366.14,1357.28 4833.78,1357.28 4838.03,1361.54 4862.75,1361.54 4867.01,1357.28 5298.47,1357.28 5371.3,1284.45 5663.62,1284.45 5727.6,1220.47 5796.76,1220.47 5809.56,1233.27 5809.56,1263.34 v1(5803.21,1269.69)
ADC_SDOD_N: IC2.40 IC30.8 R47.2 | length 2535.6
  Top w6: IC2.40@4039.17,1802.57 4076.53,1802.57 v1(4079.53,1805.57) ; v1@5833.66,1171.6 5837.06,1168.2 R47.2@5837.06,1143.1 5837.06,1115.79 5850.48,1102.36 IC30.8@5877.95,1102.36
  Bot w6: v1(4079.53,1805.57) 4072.69,1798.73 4049.16,1798.73 4008.67,1758.24 4008.67,1747.09 4008.79,1746.97 4008.79,1732.19 4008.67,1732.07 4008.67,1703.78 4008.79,1703.67 4008.79,1434.87 4177.37,1266.28 4234.98,1266.28 4236.22,1267.53 4866.33,1267.53 4927.35,1206.5 5300.39,1206.5 5333.85,1173.04 5618.3,1173.04 5659.64,1131.7 5805.16,1131.7 5822.04,1148.57 5822.04,1165.7 v1(5830.8,1174.46)
ADC_SDOD_P: IC2.39 IC30.1 R47.1 | length 2484.1
  Top w5: v1@5800.05,1173.24 v1(5801.27,1174.46)
  Top w6: IC2.39@4039.17,1782.89 4076.53,1782.89 v1(4079.53,1779.89) ; IC30.1@5755.91,1102.36 5793.31,1102.36 5800.05,1109.11 R47.1@5800.05,1143.1 v1@5800.05,1173.24
  Bot w6: v1(4079.53,1779.89) 4072.69,1786.73 4054.13,1786.73 4020.67,1753.27 4020.67,1752.06 4020.79,1751.94 4020.79,1727.22 4020.67,1727.1 4020.67,1708.75 4020.79,1708.64 4020.79,1439.84 4071.67,1388.96 4181.1,1279.53 4871.3,1279.53 4932.33,1218.5 5305.36,1218.5 5338.82,1185.04 5623.27,1185.04 5664.61,1143.7 5800.19,1143.7 5810.04,1153.54 5810.04,1165.7 v1(5801.27,1174.46)
CH0_A0: IC6A.4 IC10.15 | length 1384.4
  Top w5: IC6A.4@2847.69,3255.39 2847.69,3211.74 2849.65,3209.77 2886.23,3209.77 v1(2890,3206) ; IC10.15@3916.64,3336.24 IC10.15@3919.67,3339.26 3919.67,3298.3 v1(3917.32,3295.95)
  L3 w5: v1(2890,3206) 2893.32,3209.32 2893.32,3183.05 2892.73,3182.46 2892.73,3166.22 2904.22,3154.74 3851.17,3154.74 3874.02,3131.89 3894.99,3131.89 3896.12,3133.02 3901.26,3133.02 3919.67,3151.43 3919.67,3298.3 v1(3917.32,3295.95)
CH0_A1: IC6A.5 IC10.1 | length 1161.8
  Top w5: IC6A.5@2867.37,3255.39 2883.61,3255.39 2891,3248 v1(2891,3231) ; IC10.1@3894.08,3106.98 v1(3894.08,3150.36)
  L3 w5: v1(2891,3231) 2914.37,3207.63 2914.37,3189.96 2902.73,3178.32 2902.73,3170.36 2908.36,3164.74 3855.31,3164.74 3869.69,3150.36 v1(3894.08,3150.36)
CH1_A0: IC6B.4 IC10.2 | length 1351.2
  Top w5: IC6B.4@2847.69,2861.69 2847.69,2818.04 2849.65,2816.07 2886.23,2816.07 v1(2890,2812.3) ; v1(3919.67,3063.59) IC10.2@3919.67,3106.98
  L3 w5: v1(2890,2812.3) 2893.32,2815.62 2897.6,2815.62 2908.31,2804.91 2908.31,2777.35 2924.99,2760.67 3628.16,2760.67 3646.81,2779.32 3646.81,2820.4 3890,3063.59 v1(3919.67,3063.59)
CH1_A1: IC6B.5 IC10.3 | length 1377.1
  Top w5: IC6B.5@2867.37,2861.69 2883.61,2861.69 2891,2854.3 v1(2891,2837.3) ; IC10.3@3945.26,3106.98 v1(3945.26,3150.36)
  L3 w5: v1(2891,2837.3) 2918.31,2809.99 2918.31,2781.5 2929.13,2770.67 3624.02,2770.67 3636.81,2783.46 3636.81,2841.92 v1(3945.26,3150.36)
CH2_A0: IC6C.4 IC10.4 | length 1783.1
  Top w5: IC6C.4@2848.18,2466.26 2848.18,2422.61 2850.15,2420.65 2886.72,2420.65 v1(2890.49,2416.87) ; v1(3970.85,3063.59) IC10.4@3970.85,3106.98
  L3 w5: v1@2893.81,2420.19 v1(2890.49,2416.87) 2890.49,2388.05 2911.57,2366.97 3627.8,2366.97 3666.81,2405.98 3666.81,2812.12 3890.94,3036.25 3930.99,3036.25 3959.97,3065.22 3970.85,3065.22 v1(3970.85,3063.59)
CH2_A1: IC6C.5 IC10.5 | length 1824.5
  Top w5: IC6C.5@2867.86,2466.26 2884.11,2466.26 2891.49,2458.87 v1(2891.49,2441.87) ; IC10.5@3996.44,3106.98 v1(3996.44,3150.36)
  L3 w5: v1(2891.49,2441.87) 2899.66,2441.87 2912.4,2429.13 2912.4,2387.8 2923.23,2376.97 3619.09,2376.97 3656.81,2414.68 3656.81,2816.26 3886.8,3046.25 3926.85,3046.25 3946.85,3066.25 3946.85,3110.24 3986.98,3150.36 v1(3996.44,3150.36)
CH3_A0: IC6D.4 IC10.6 | length 2205.4
  Top w5: IC6D.4@2847.69,2074.28 2847.69,2030.64 2849.65,2028.67 2886.23,2028.67 v1(2890,2024.9) ; v1(4022.03,3063.59) IC10.6@4022.03,3106.98
  L3 w5: v1@2893.32,2028.22 v1(2890,2024.9) 2886.81,2021.71 2886.81,1994.09 2905.67,1975.24 3636.97,1975.24 3649.92,1988.19 3649.92,2219.8 3686.81,2256.69 3686.81,2781.3 3921.76,3016.25 3939.28,3016.25 3959.28,3036.25 3982.17,3036.25 4009.52,3063.59 v1(4022.03,3063.59)
CH3_A1: IC6D.5 IC10.7 | length 2243.4
  Top w5: IC6D.5@2867.37,2074.28 2883.61,2074.28 2891,2066.9 v1(2891,2049.9) ; IC10.7@4047.62,3106.98 v1(4047.62,3150.36)
  L3 w5: v1(2891,2049.9) 2902.86,2049.9 2910.43,2042.32 2910.43,2013.78 2909.45,2012.8 2909.45,2002.95 2927.17,1985.24 3632.83,1985.24 3639.92,1992.33 3639.92,2229.65 3676.81,2266.54 3676.81,2790 3913.06,3026.25 3935.13,3026.25 3955.13,3046.25 3978.03,3046.25 3988.19,3056.41 3988.19,3090.93 v1(4047.62,3150.36)
CH4_A0: IC6E.4 IC11.15 | length 2246.5
  Top w5: IC6E.4@2847.69,1680.58 2847.69,1636.94 2849.65,1634.97 2886.23,1634.97 v1(2890,1631.2) ; v1(3931.21,480.57) IC11.15@3974.6,480.57
  L3 w5: v1@2893.32,1634.52 v1(2890,1631.2) 2887.8,1628.99 2887.8,1591.54 2900.59,1578.74 3637.8,1578.74 3670.28,1546.26 3670.28,1447.13 3669.51,1446.36 3669.51,976.16 3779.53,866.14 3779.53,569.62 3779.21,569.31 3779.21,524.2 3768.36,513.35 3768.36,498.98 3786.76,480.57 v1(3931.21,480.57)
CH4_A1: IC6E.5 IC11.1 | length 2043
  Top w5: IC6E.5@2867.37,1680.58 2883.61,1680.58 2891,1673.2 v1(2891,1656.2) ; IC11.1@3742.31,506.16 v1(3785.7,506.16)
  L3 w5: v1(2891,1656.2) 2907.34,1639.85 2907.34,1589.33 2907.93,1588.74 3644.53,1588.74 3680.28,1552.99 3680.28,1442.99 3679.51,1442.22 3679.51,980.3 3789.53,870.28 3789.53,565.48 3789.21,565.17 3789.21,509.67 v1(3785.7,506.16)
CH5_A0: IC6F.4 IC11.2 | length 1651.6
  Top w5: IC6F.4@2847.69,1286.88 2847.69,1243.23 2849.65,1241.27 2886.23,1241.27 v1(2890,1237.5) ; v1(3698.93,480.57) IC11.2@3742.31,480.57
  L3 w5: v1@2893.32,1240.81 v1(2890,1237.5) 2890,1206.46 2910.43,1186.02 3625,1186.02 3637.42,1173.6 3637.42,1133.56 3631.89,1128.03 3631.89,925.2 3698.93,858.16 v1(3698.93,480.57)
CH5_A1: IC6F.5 IC11.3 | length 1703.7
  Top w5: IC6F.5@2867.37,1286.88 2883.61,1286.88 2891,1279.5 v1(2891,1262.5) ; IC11.3@3742.31,454.98 v1(3785.7,454.98)
  L3 w5: v1(2891,1262.5) 2907.34,1246.15 2907.34,1230.31 2905.51,1228.48 2905.51,1209.65 2917.32,1197.83 3627.33,1197.83 3647.42,1177.74 3647.42,1129.42 3641.89,1123.89 3641.89,934.88 3720.47,856.3 3720.47,492.13 3757.62,454.98 v1(3785.7,454.98)
CH6_A0: IC6G.4 IC11.4 | length 1317.9
  Top w5: IC6G.4@2847.69,893.18 2847.69,849.53 2849.65,847.57 2886.23,847.57 v1(2890,843.8) ; v1(3698.93,429.39) IC11.4@3742.31,429.39
  L3 w5: v1@2893.32,847.11 v1(2890,843.8) 2890,811.77 2912.4,789.37 3625.98,789.37 3659.45,755.91 3659.45,445.01 3675.07,429.39 v1(3698.93,429.39)
CH6_A1: IC6G.5 IC11.5 | length 1365
  Top w5: IC6G.5@2867.37,893.18 2883.61,893.18 2891,885.8 v1(2891,868.8) ; IC11.5@3742.31,403.8 v1(3785.7,403.8)
  L3 w5: v1(2891,868.8) 2907.34,852.45 2907.34,817.07 2924.21,800.2 3642.72,800.2 3669.93,772.99 3669.93,482.92 3749.05,403.8 v1(3785.7,403.8)
CH7_A0: IC6H.4 IC11.6 | length 1002
  Top w5: IC6H.4@2847.69,499.48 2847.69,455.83 2849.65,453.87 2886.23,453.87 v1(2890,450.09) ; v1(3698.93,378.21) IC11.6@3742.31,378.21
  L3 w5: v1@2893.32,453.41 v1(2890,450.09) 2890,404.29 2916.08,378.21 v1(3698.93,378.21)
CH7_A1: IC6H.5 IC11.7 | length 1066.9
  Top w5: IC6H.5@2867.37,499.48 2883.61,499.48 2891,492.09 v1(2891,475.09) ; IC11.7@3742.31,352.62 v1(3785.7,352.62)
  L3 w5: v1(2891,475.09) 2894,475.09 2908.46,460.63 2908.46,411.42 2931.1,388.78 3684.97,388.78 3691.74,395.55 3706.11,395.55 3727.65,374.02 3764.3,374.02 v1(3785.7,352.62)
EEM0_0_N: IC21.1 J13.3 R30.1 | length 523.9
  Top w6: IC21.1@5185.78,1779.7 5185.78,1752.21 5195.87,1742.13 5230.14,1742.13 R30.1@5231.07,1743.06 5246.28,1743.06 5258.78,1730.55 5271.7,1730.55 5350.58,1651.67 5350.58,1616.94 5382.87,1584.65 5436.02,1584.65 5463.58,1612.2 5463.58,1662.4 5458.48,1667.51 5456.51,1667.51 J13.3@5416,1627
EEM0_0_P: IC21.8 J13.2 R30.2 | length 567.7
  Top w6: IC21.8@5185.78,1657.65 5185.78,1693.65 5198.17,1706.05 R30.2@5231.07,1706.05 5246.28,1706.05 5258.78,1718.55 5266.73,1718.55 5338.58,1646.7 5338.58,1611.97 5377.9,1572.65 5440.99,1572.65 5475.58,1607.23 5475.58,1686.58 J13.2@5516,1727
EEM0_1_N: IC22.5 J13.6 | length 305.5
  Top w6: IC22.5@5257.75,1514.26 5277.48,1514.26 5281.32,1518.11 5319.42,1518.11 5370.03,1467.5 5456.5,1467.5 J13.6@5516,1527
EEM0_1_P: IC22.6 J13.5 | length 296.1
  Top w6: IC22.6@5257.75,1533.95 5277.48,1533.95 5281.32,1530.11 5325.39,1530.11 5375,1480.5 5452.53,1480.5 5462.6,1490.57 5462.6,1496.06 5431.66,1527 J13.5@5416,1527
EEM0_2_N: IC24.4 J13.9 R55.1 | length 664.1
  Top w6: IC24.4@5045.84,1467.56 5045.84,1456.13 5062.01,1439.96 5099.82,1439.96 R55.1@5100.94,1438.84 5121.79,1438.84 v1@5127.95,1432.68
  Bot w6: v1@5125.99,1432.68 5119.65,1426.34 5097.39,1426.34 5081.5,1410.45 5081.5,1378.89 5088.53,1371.86 5168.12,1371.86 5204.72,1408.46 5291.34,1408.46 5321.42,1378.38 5391.8,1378.38 5394.67,1375.51 5437.33,1375.51 5440.21,1378.38 5456.14,1378.38 5456.14,1367.14 J13.9@5416,1327
  other v1: 5128.2,1434.13
EEM0_2_P: IC24.3 J13.8 R55.2 | length 638
  Top w6: IC24.3@5045.84,1365.2 5045.84,1374.02 5073.65,1401.83 R55.2@5100.94,1401.83 5117.14,1401.83 v1@5123.3,1408
  Top w8: v1@5123.3,1408 v1(5127.95,1408)
  Bot w6: v1(5127.95,1408) 5121.61,1414.34 5102.36,1414.34 5093.5,1405.48 5093.5,1383.86 5163.15,1383.86 5196.24,1416.95 5199.75,1420.46 5296.31,1420.46 5299.82,1416.95 5326.39,1390.38 5396.77,1390.38 5399.64,1387.51 5432.36,1387.51 5435.24,1390.38 5461.11,1390.38 5464.62,1386.87 5475.87,1386.87 J13.8@5516,1427
EEM0_3_N: IC23.4 J13.12 R31.1 | length 357.8
  Top w6: IC23.4@5204.84,1339.64 5240.39,1304.09 5266.78,1304.09 R31.1@5269.78,1301.09 5284.65,1286.21 5451.52,1286.21 5510.73,1227 J13.12@5516,1227
EEM0_3_P: IC23.3 J13.11 R31.2 | length 317.4
  Top w6: IC23.3@5204.84,1237.28 5219.65,1237.28 5246.44,1264.08 R31.2@5269.78,1264.08 5279.21,1273.51 5445.84,1273.51 5448.84,1270.5 5448.84,1259.84 J13.11@5416,1227
EEM0_4_N: IC17.4 J13.15 R36.1 | length 564
  Top w6: IC17.4@5062.84,1159.9 5062.84,1150.75 5086.61,1126.97 5123.57,1126.97 R36.1@5127.78,1131.18 5142.82,1116.14 5162.4,1116.14 5167.31,1121.05 v1(5167.31,1131.89)
  Bot w5: v1(5167.31,1131.89) 5167.31,1098.22 5192.78,1072.75 5452.84,1072.75 5462.6,1062.99 5426.61,1027 J13.15@5416,1027 J13.15@5416,1041.63
EEM0_4_P: IC17.3 J13.14 R36.2 | length 558.1
  Top w6: IC17.3@5062.84,1057.53 5062.84,1070.71 5090.55,1098.43 5123.53,1098.43 R36.2@5127.78,1094.17 5164.13,1094.17 v1(5192.01,1122.05)
  Bot w5: v1(5192.01,1122.05) 5192.01,1117.06 5177.31,1102.36 5196.92,1082.75 5442.99,1082.75 5487.24,1127 J13.14@5516,1127
EEM0_5_N: IC18.4 J13.18 R39.1 | length 371.5
  Top w6: IC18.4@5216.84,1002.93 5216.84,972.14 5224.41,964.57 5271.74,964.57 R39.1@5271.94,964.37 5283.94,952.37 5339.18,952.37 5363.19,976.38 5366.7,979.89 5454.4,979.89 5457.92,976.38 5459.33,976.38 5508.71,927 J13.18@5516,927
EEM0_5_P: IC18.3 J13.17 R39.2 | length 351.9
  Top w6: IC18.3@5216.84,900.57 5216.84,925.5 5222.44,931.1 5268.2,931.1 R39.2@5271.94,927.36 5284.23,939.66 5343.44,939.66 5371.67,967.89 5449.43,967.89 5458.66,958.66 5458.66,950.3 5435.37,927 J13.17@5416,927
EEM0_6_N: IC19.3 J13.21 | length 487.1
  Top w6: IC19.3@5063.84,744.6 5066.84,747.6 5066.84,759.17 5097.44,789.78 5148.21,789.78 5165.35,772.64 5453.74,772.64 5455.71,770.67 5455.71,763.78 5418.93,727 J13.21@5416,727
EEM0_6_P: IC19.4 J13.20 | length 502.3
  Top w6: IC19.4@5063.84,846.96 5066.84,843.96 5066.84,832.39 5097.44,801.78 5153.18,801.78 5170.32,784.64 5473.64,784.64 J13.20@5516,827
EEM0_7_N: IC20.4 J13.24 R40.1 | length 379.4
  Top w6: IC20.4@5211.84,692.53 5211.84,667.1 5218.5,660.43 5263.56,660.43 R40.1@5266.94,663.81 5282.46,648.29 5298.66,648.29 5335.41,685.04 5445.55,685.04 5503.59,627 J13.24@5516,627
EEM0_7_P: IC20.3 J13.23 R40.2 | length 364.1
  Top w6: IC20.3@5211.84,590.17 5211.84,616.36 5218.28,622.8 5262.94,622.8 R40.2@5266.94,626.8 R40.2@5276.96,636.82 ; R40.2@5277.49,636.29 5303.63,636.29 5340.38,673.04 5439.17,673.04 5459.22,652.98 5459.22,644.26 5455.71,640.75 5429.75,640.75 J13.23@5416,627
EEM1_0_N: IC25.5 J2.3 | length 282.3
  Top w6: IC25.5@5856.91,1625.15 5876.65,1625.15 5880.49,1628.99 5953.79,1628.99 5993.9,1669.1 6062.99,1669.1 6062.99,1653.93 J2.3@6032.68,1623.62
EEM1_0_P: IC25.6 J2.2 | length 311.6
  Top w6: IC25.6@5856.91,1644.84 5876.65,1644.84 5880.49,1640.99 5948.82,1640.99 5988.93,1681.1 6090.16,1681.1 J2.2@6132.68,1723.62
EEM1_1_N: IC27.5 J2.6 | length 316.6
  Top w6: IC27.5@5857.08,1486.22 5876.81,1486.22 5880.66,1490.06 5931.68,1490.06 5954.22,1467.52 6071.9,1467.52 6089.76,1485.38 6089.76,1497.05 6116.33,1523.62 J2.6@6132.68,1523.62
EEM1_1_P: IC27.6 J2.5 | length 298.9
  Top w6: IC27.6@5857.08,1505.91 5876.81,1505.91 5880.66,1502.06 5936.65,1502.06 5959.19,1479.52 6066.93,1479.52 6077.76,1490.35 6077.76,1497.05 6051.18,1523.62 J2.5@6032.68,1523.62
EEM1_2_N: IC28.5 J2.9 | length 275.4
  Top w6: IC28.5@5868.11,1348.43 5887.84,1348.43 5891.69,1352.27 5949.85,1352.27 5967.47,1369.89 6072.04,1369.89 6072.04,1362.98 J2.9@6032.68,1323.62
EEM1_2_P: IC28.6 J2.8 | length 290.7
  Top w6: IC28.6@5868.11,1368.11 5887.84,1368.11 5891.69,1364.27 5944.88,1364.27 5962.5,1381.89 6090.95,1381.89 J2.8@6132.68,1423.62
EEM1_3_N: IC29.5 J2.12 | length 307.1
  Top w6: IC29.5@5877.95,1200.79 5897.68,1200.79 5901.53,1204.63 5920.28,1204.63 5959.55,1165.35 6072.09,1165.35 6085.26,1178.52 6088.77,1182.04 6088.77,1199.8 6112.59,1223.62 J2.12@6132.68,1223.62
EEM1_3_P: IC29.6 J2.11 | length 287.4
  Top w6: IC29.6@5877.95,1220.47 5897.68,1220.47 5901.53,1216.63 5925.25,1216.63 5964.52,1177.35 6067.12,1177.35 6076.77,1187.01 6076.77,1199.8 6052.95,1223.62 J2.11@6032.68,1223.62
EEM1_4_N: IC30.5 J2.15 | length 264.3
  Top w6: IC30.5@5877.95,1043.31 5897.68,1043.31 5901.53,1047.15 5959.69,1047.15 5982.24,1069.69 6068.1,1069.69 6071.07,1066.73 6071.07,1062.01 J2.15@6032.68,1023.62
EEM1_4_P: IC30.6 J2.14 | length 283
  Top w6: IC30.6@5877.95,1062.99 5897.68,1062.99 5901.53,1059.15 5954.72,1059.15 5977.27,1081.69 6090.75,1081.69 J2.14@6132.68,1123.62
EEM1_5_N: J2.18
EEM1_5_P: J2.17
EEM1_6_N: J2.21
EEM1_6_P: J2.20
EEM1_7_N: J2.24
EEM1_7_P: J2.23